# Altium PCB RK_NVR_DEMO1_RK3588_LP4XD200P232SD8_V21_20211228_final_lint.PcbDoc (part 2 of 29) (continued)
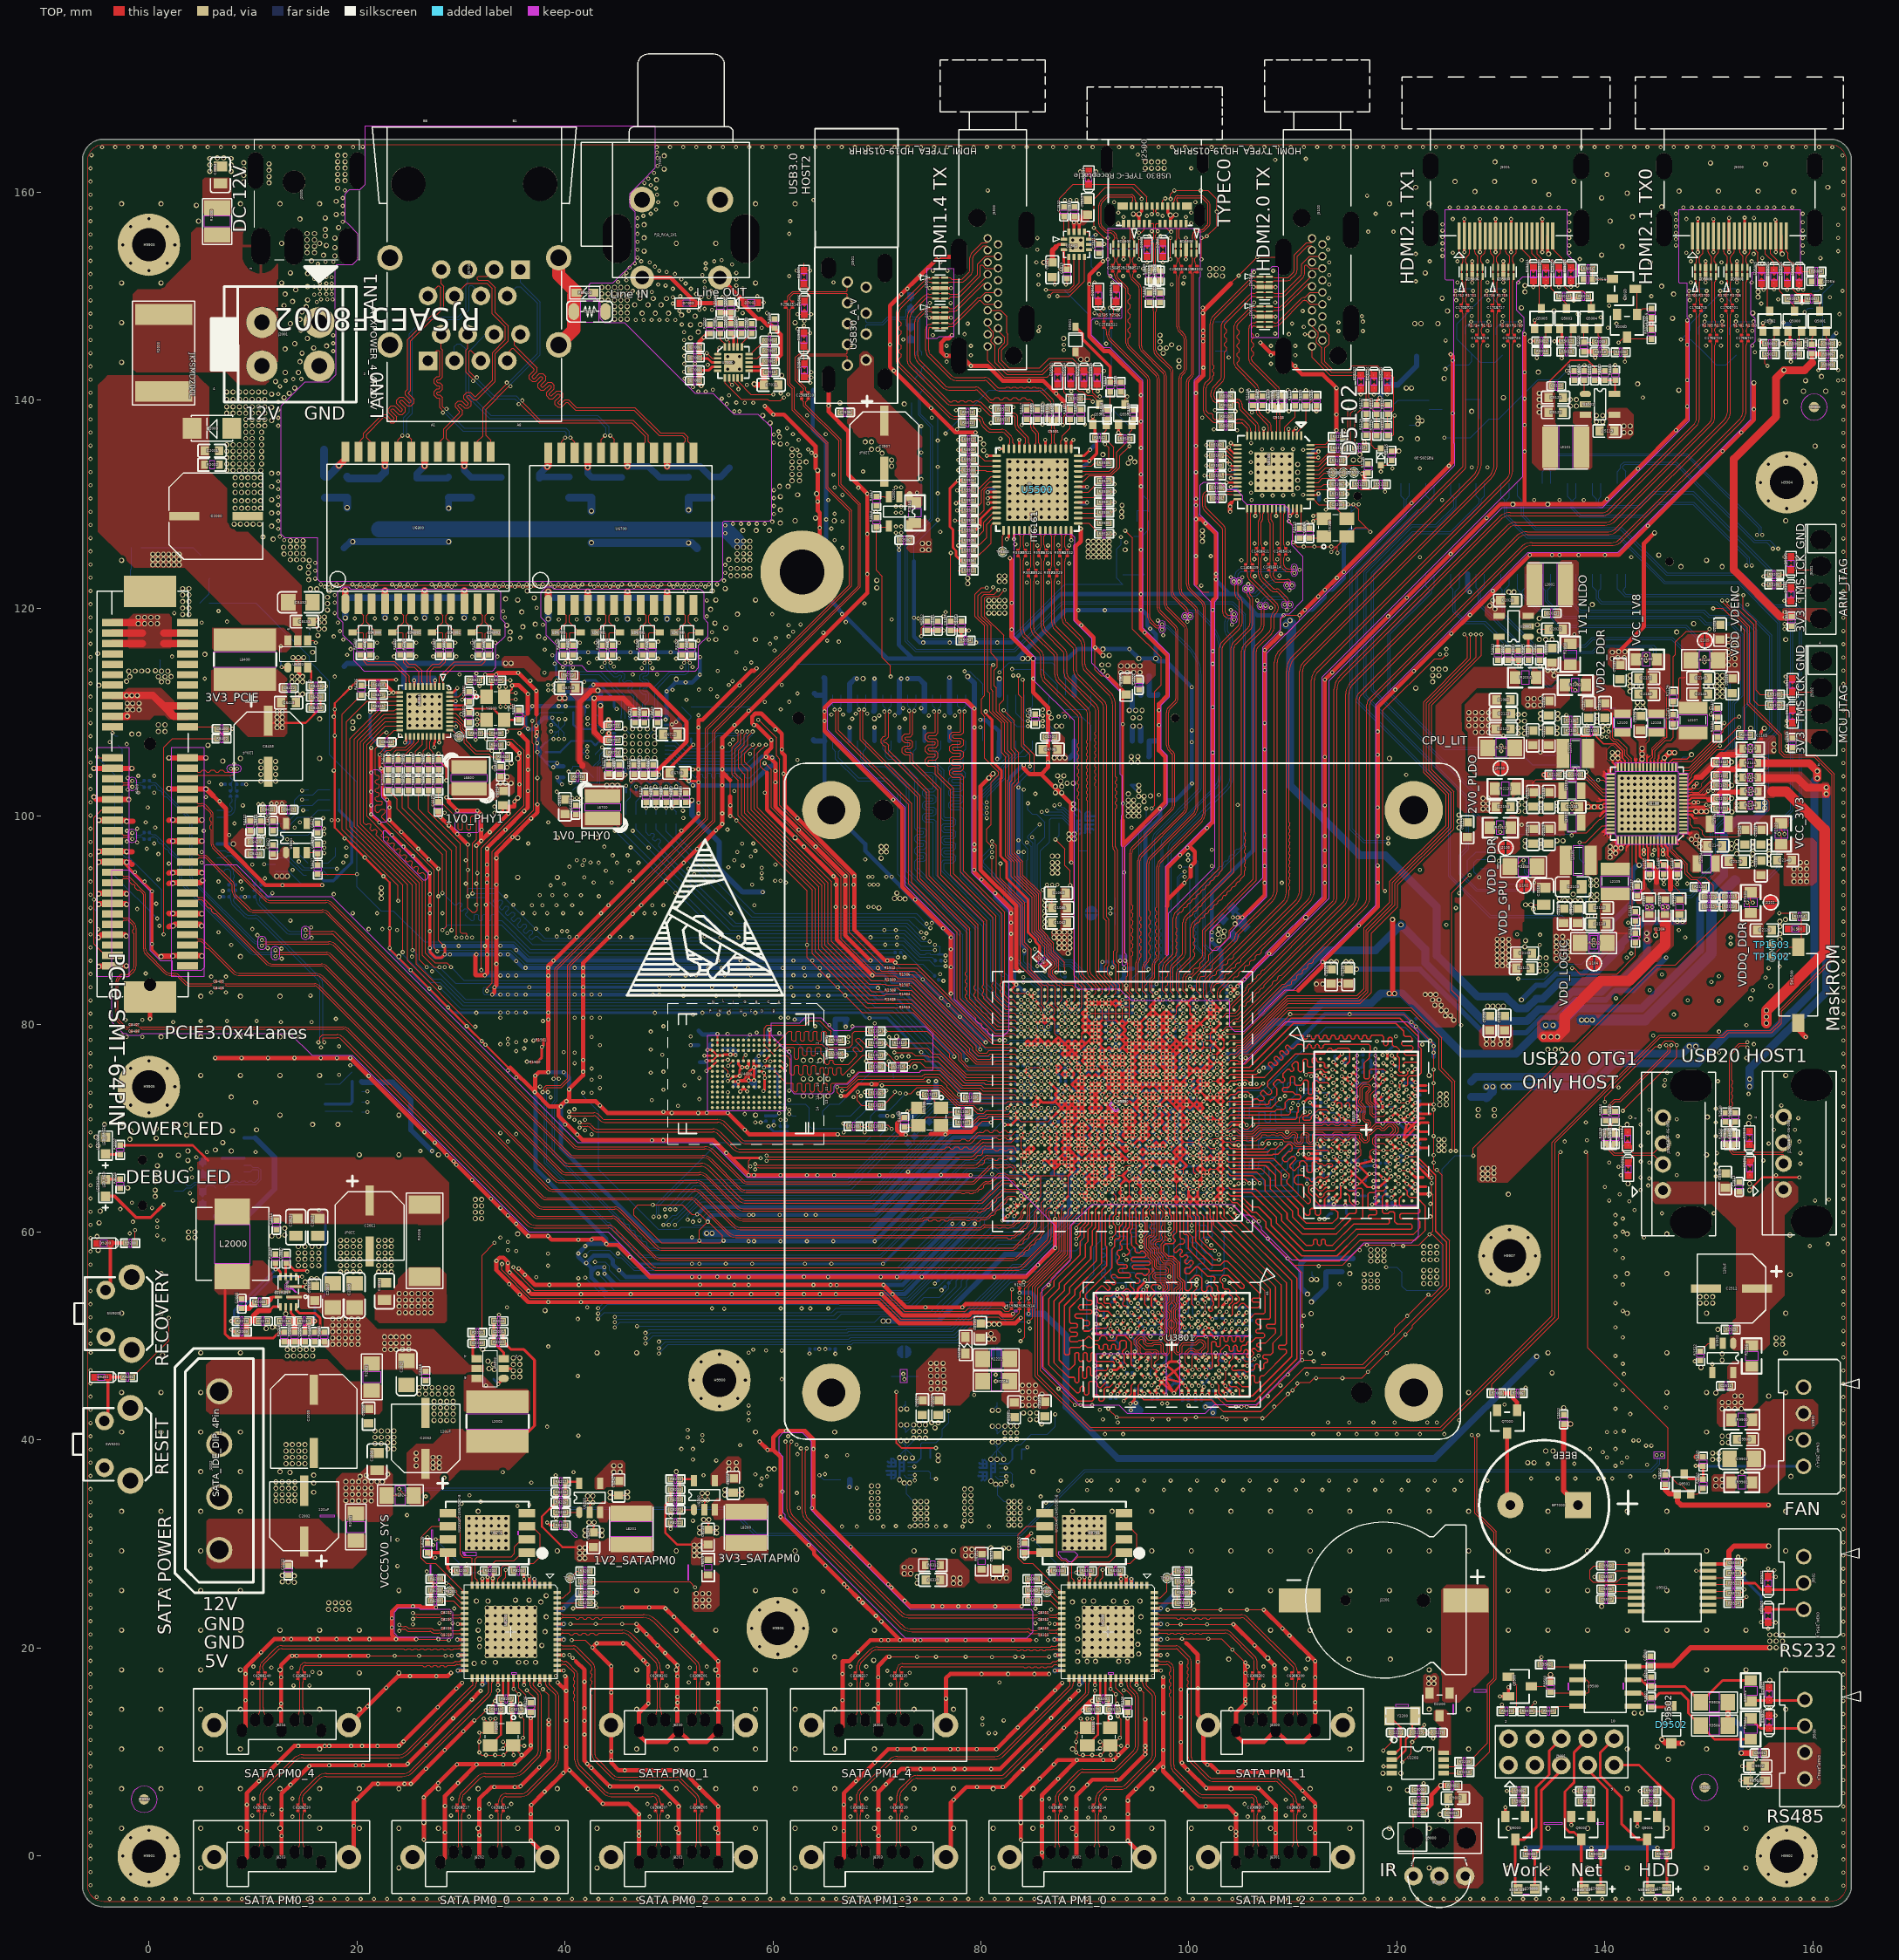
[diagram p0: TOP view]
## Components (designator, comment, footprint, x,y, rotation, side; value= is the part's Value field where it differs from the comment) (continued)
C8436 "CAP NP_C0603_10UF" C0603#3 0.086,109.387 r90 bottom
C8437 "CAP NP_C0402_100NF" C0402#2 -1.256,109.155 r90 bottom
C9000 "CAP NP_C0402_1NF" C0402#1 122.118,6.392 r180 top
C9001 "CAP NP_C0402_100NF" C0402#1 125.28,4.127 r180 top
C9002 "CAP NP_C0603_10UF" C0603#2 125.617,5.577 r180 top
C9100 "CAP NP_C0402_1UF" C0402#1 20.004,73.527 r0 bottom
C9101 "CAP NP_C0402_100NF" C0402#1 20.004,72.511 r0 bottom
C9102 "CAP NP_C0603_10UF" C0603#3 5.579,60.592 r90 bottom
C9103 "CAP NP_C0402_100NF" C0402#2 4.43,61.102 r90 bottom
C9104 "CAP NP_C0402_100NF" C0402#2 7.059,67.546 r270 bottom
C9105 "CAP NP_C0402_100NF" C0402#1 157.94,118.721 r270 top
C9106 "CAP NP_C0402_100NF" C0402#1 158.016,107.037 r270 top
C9500 "CAP NP_C0402_100NF" C0402#1 144.392,18.762 r90 top
C9501 "CAP NP_C0402_4.7NF" C0402#1 154.879,9.907 r0 top
C9502 "CAP NP_C0603_100NF" C0603#2 154.698,8.643 r180 top
C9503 "CAP NP_C0402_100NF" C0402#1 140.117,27.919 r0 top
C9504 "CAP NP_C0402_100NF" C0402#1 140.117,26.864 r0 top
C9505 "CAP NP_C0402_100NF" C0402#1 152.355,28.192 r0 top
C9506 "CAP NP_C0402_100NF" C0402#1 140.129,25.657 r180 top
C9507 "CAP NP_C0402_100NF" C0402#1 140.117,24.692 r0 top
C9900 "CAP NP_C0603_100NF" C0603#2 153.407,40.069 r180 top
C9901 "CAP NP_C1206_10UF" C1206#1 153.16,38.184 r180 top
D1500 "DIODE BI_DIR TRIG_ESD0402_ESD54" ESD0402#1 158.284,89.142 r180 top
D2000 "DIODE_DO_214AC_SS32" DO_214AC 6.069,137.293 r0 top
D2200 "DIODE DOUBLE_SOT_23_BAT54C" SOT_23#1 124.095,14.59 r180 top
D2504 "DIODE BI_DIR TRIG_ESD0402_ESD53" ESD0402#1 97.496,154.47 r270 top
D2505 "DIODE BI_DIR TRIG_ESD0402_ESD53" ESD0402#1 95.972,154.47 r270 top
D2506 "DIODE BI_DIR TRIG_ESD0402_ESD_1" ESD0402#1 63.023,148.885 r270 top
D2507 "DIODE BI_DIR TRIG_ESD0402_ESD_1" ESD0402#1 62.983,151.832 r90 top
D2508 "DIODE BI_DIR TRIG_ESD0402_ESD_1" ESD0402#1 62.983,145.832 r90 top
D2509 "DIODE BI_DIR TRIG_ESD0402_ESD_1" ESD0402#1 63.023,142.885 r270 top
D2510 "DIODE BI_DIR TRIG_ESD0402_ESD53" ESD0402#2 73.245,149.39 r270 bottom
D2511 "DIODE BI_DIR TRIG_ESD0402_ESD53" ESD0402#2 73.245,146.444 r90 bottom
D2512 "DIODE BI_DIR TRIG_ESD0402_ESD53" ESD0402#1 142.231,66.043 r270 top
D2513 "DIODE BI_DIR TRIG_ESD0402_ESD53" ESD0402#1 142.192,68.987 r90 top
D2514 "DIODE BI_DIR TRIG_ESD0402_ESD53" ESD0402#1 153.941,66.12 r270 top
D2515 "DIODE BI_DIR TRIG_ESD0402_ESD53" ESD0402#1 153.901,69.063 r90 top
D2516 "DIODE BI_DIR TRIG_ESD0402_ESD53" ESD0402#1 91.279,150.102 r90 top
D2517 "DIODE BI_DIR TRIG_ESD0402_ESD53" ESD0402#1 93.006,150.102 r90 top
D2518 "DIODE BI_DIR TRIG_ESD0402_ESD53" ESD0402#1 96.715,155.182 r180 bottom
D2519 "DIODE BI_DIR TRIG_ESD0402_ESD53" ESD0402#1 90.365,161.379 r90 top
D5000 "DIODE_SOD_323_B5819WS" SOD_323#1 156.721,149.902 r0 bottom
D5002 "DIODE_SOD_123_B5819W" SOD_123#1 156.721,151.65 r0 bottom
D5003 "DIODE_SOD_323_B5819WS" SOD_323#1 134.267,150.156 r0 bottom
D5005 "DIODE_SOD_123_B5819W" SOD_123#1 134.267,151.904 r0 bottom
D5100 "DIODE_SOD_123_B5819W" SOD_123#2 120.157,145.094 r90 bottom
D5101 "DIODE_SOD_323_B5819WS" SOD_323#2 121.911,145.428 r90 bottom
D5102 "DIODE_SOD_523_RB520S-30" SOD_523 118.457,134.557 r180 top
D5500 "DIODE_SOD_123_B5819W" SOD_123#1 88.253,142.306 r180 bottom
D5501 "DIODE_SOD_323_B5819WS" SOD_323#1 89.095,145.834 r90 top
D6700 "BA301N_3_SMB_F_BS3500NCF" SMB_F#1 45.457,130.01 r90 bottom
D6701 "BA301N_3_SMB_F_BS3500NCF" SMB_F#2 58.284,133.49 r0 bottom
D6702 "BA301N_3_SMB_F_BS3500NCF" SMB_F#1 37.558,130.036 r90 bottom
D6703 "BA301N_3_SMB_F_BS3500NCF" SMB_F#1 49.115,130.01 r90 bottom
D6704 "BA301N_1_BA301N_BA301N" BA301N#1 45.457,130.315 r90 bottom
D6705 "BA301N_1_BA301N_BA301N" BA301N#1 49.115,130.315 r90 bottom
D6706 "BA301N_1_BA301N_BA301N" BA301N#2 58.284,133.693 r0 bottom
D6707 "BA301N_1_BA301N_BA301N" BA301N#1 37.558,130.442 r90 bottom
D6800 "BA301N_3_SMB_F_BS3500NCF" SMB_F#2 14.393,135.217 r180 bottom
D6801 "BA301N_3_SMB_F_BS3500NCF" SMB_F#1 22.115,130.036 r90 bottom
D6802 "BA301N_3_SMB_F_BS3500NCF" SMB_F#1 25.772,130.036 r90 bottom
D6803 "BA301N_3_SMB_F_BS3500NCF" SMB_F#1 33.9,130.036 r90 bottom
D6804 "BA301N_1_BA301N_BA301N" BA301N#2 14.393,135.522 r180 bottom
D6805 "BA301N_1_BA301N_BA301N" BA301N#1 22.115,130.34 r90 bottom
D6806 "BA301N_1_BA301N_BA301N" BA301N#1 25.772,130.34 r90 bottom
D6807 "BA301N_1_BA301N_BA301N" BA301N#1 33.9,130.34 r90 bottom
D7000 "DIODE BI_DIR TRIG_ESD0402_ESD54" ESD0402#1 51.706,149.314 r180 top
D7001 "DIODE BI_DIR TRIG_ESD0402_ESD54" ESD0402#1 57.903,149.354 r0 top
D9100 "DIODE BI_DIR TRIG_ESD0402_ESD53" ESD0402#2 5.16,66.146 r270 bottom
D9101 "DIODE BI_DIR TRIG_ESD0402_ESD53" ESD0402#2 5.16,63.262 r90 bottom
D9102 "DIODE BI_DIR TRIG_ESD0402_ESD53" ESD0402#1 157.891,124.311 r90 top
D9103 "DIODE BI_DIR TRIG_ESD0402_ESD53" ESD0402#1 157.891,121.333 r270 top
D9104 "DIODE BI_DIR TRIG_ESD0402_ESD53" ESD0402#1 158.042,112.576 r90 top
D9105 "DIODE BI_DIR TRIG_ESD0402_ESD53" ESD0402#1 158.042,109.598 r270 top
D9200 "DIODE BI_DIR TRIG_ESD0402_ESD54" ESD0402#1 -4.346,58.931 r180 top
D9201 "DIODE BI_DIR TRIG_ESD0402_ESD54" ESD0402#1 -4.574,46.054 r180 top
D9502 "DIODE_SOD_123_B5819W" SOD_123#1 146.397,12.637 r90 top
ED2100 "DIODE BI_DIR TRIG_ESD0402_AZ582" ESD0402#3 145.686,97.473 r225 bottom
ED2500 "ESD_ESD5304D_SON10_2R50X1R00X0R" SON10_2R50X1R00X0R50 99.724,154.572 r180 top
ED2501 "ESD_ESD5304D_SON10_2R50X1R00X0R" SON10_2R50X1R00X0R50 93.73,154.572 r180 top
ED5000 "ESD_ESD5304D_SON10_2R50X1R00X0R" SON10_2R50X1R00X0R50 149.687,152.337 r0 top
ED5001 "ESD_ESD5304D_SON10_2R50X1R00X0R" SON10_2R50X1R00X0R50 152.689,152.337 r0 top
ED5002 "DIODE BI_DIR TRIG_ESD0402_ESD53" ESD0402#1 158.678,151.88 r270 top
ED5003 "DIODE BI_DIR TRIG_ESD0402_ESD53" ESD0402#1 157.527,151.868 r270 top
ED5004 "DIODE BI_DIR TRIG_ESD0402_ESD53" ESD0402#1 156.265,151.88 r270 top
ED5005 "DIODE BI_DIR TRIG_ESD0402_ESD53" ESD0402#1 155.063,151.868 r270 top
ED5006 "ESD_ESD5304D_SON10_2R50X1R00X0R" SON10_2R50X1R00X0R50 127.233,152.337 r0 top
ED5007 "ESD_ESD5304D_SON10_2R50X1R00X0R" SON10_2R50X1R00X0R50 130.235,152.337 r0 top
ED5008 "DIODE BI_DIR TRIG_ESD0402_ESD53" ESD0402#1 136.733,152.134 r270 top
ED5009 "DIODE BI_DIR TRIG_ESD0402_ESD53" ESD0402#1 135.582,152.122 r270 top
ED5010 "DIODE BI_DIR TRIG_ESD0402_ESD53" ESD0402#1 134.32,152.134 r270 top
ED5011 "DIODE BI_DIR TRIG_ESD0402_ESD53" ESD0402#1 133.118,152.122 r270 top
ED5100 "ESD_ESD5304D_SON10_2R50X1R00X0R" SON10_2R50X1R00X0R50 107.281,150.876 r270 top
ED5101 "ESD_ESD5304D_SON10_2R50X1R00X0R" SON10_2R50X1R00X0R50 107.281,148.031 r270 top
ED5102 "DIODE BI_DIR TRIG_ESD0402_ESD53" ESD0402#1 116.527,141.77 r270 top
ED5103 "DIODE BI_DIR TRIG_ESD0402_ESD53" ESD0402#1 119.067,141.77 r270 top
ED5104 "DIODE BI_DIR TRIG_ESD0402_ESD53" ESD0402#1 117.797,141.77 r270 top
ED5500 "ESD_ESD5304D_SON10_2R50X1R00X0R" SON10_2R50X1R00X0R50 76.09,150.774 r270 top
ED5501 "ESD_ESD5304D_SON10_2R50X1R00X0R" SON10_2R50X1R00X0R50 76.09,147.929 r270 top
ED5502 "DIODE BI_DIR TRIG_ESD0402_ESD53" ESD0402#1 87.367,142.177 r270 top
ED5503 "DIODE BI_DIR TRIG_ESD0402_ESD53" ESD0402#1 89.907,142.177 r270 top
ED5504 "DIODE BI_DIR TRIG_ESD0402_ESD53" ESD0402#1 88.637,142.177 r270 top
ED5505 "DIODE BI_DIR TRIG_ESD0402_ESD53" ESD0402#1 91.177,142.177 r270 top
ED6700 "DIODE BI_DIR TRIG_SOD_323_UDD32" SOD_323#1 51.731,117.661 r180 top
ED6701 "DIODE BI_DIR TRIG_SOD_323_UDD32" SOD_323#1 47.921,117.661 r180 top
ED6702 "DIODE BI_DIR TRIG_SOD_323_UDD32" SOD_323#1 44.111,117.661 r180 top
ED6703 "DIODE BI_DIR TRIG_SOD_323_UDD32" SOD_323#1 40.301,117.661 r180 top
ED6800 "DIODE BI_DIR TRIG_SOD_323_UDD32" SOD_323#1 20.794,117.661 r0 top
ED6801 "DIODE BI_DIR TRIG_SOD_323_UDD32" SOD_323#1 24.604,117.661 r0 top
ED6802 "DIODE BI_DIR TRIG_SOD_323_UDD32" SOD_323#1 28.414,117.661 r0 top
ED6803 "DIODE BI_DIR TRIG_SOD_323_UDD32" SOD_323#1 32.224,117.661 r0 top
ED9500 "DIODE BI_DIR TRIG_ESD0402_ESD54" ESD0402#1 155.795,12.908 r90 top
ED9501 "DIODE BI_DIR TRIG_ESD0402_ESD54" ESD0402#1 155.795,15.593 r90 top
ED9502 "DIODE BI_DIR TRIG_ESD0402_ESD54" ESD0402#1 155.693,26.258 r90 top
ED9503 "DIODE BI_DIR TRIG_ESD0402_ESD54" ESD0402#1 155.693,23.103 r270 top
F2000 "FUSE_F8050_JK-SMD200L" F8050 1.421,144.534 r270 top
FB2201 "BEAD_L0603_120R-100MHZ" L0603#1 78.528,49.111 r90 top
FB5100 "BEAD_L0603_120R-100MHZ" L0603#2 113.25,135.547 r270 bottom
FB5101 "BEAD_L0603_120R-100MHZ" L0603#2 102.912,133.541 r90 bottom
FB5102 "BEAD_L0603_120R-100MHZ" L0603#1 106.671,127.242 r0 bottom
FB5103 "BEAD_L0603_120R-100MHZ" L0603#1 105.452,137.91 r0 bottom
FB5500 "BEAD_L0603_120R-100MHZ" L0603#1 87.164,136.894 r0 bottom
FB5501 "BEAD_L0603_120R-100MHZ" L0603#1 81.983,138.519 r0 bottom
FB5502 "BEAD_L0603_120R-100MHZ" L0603#1 90.314,136.894 r180 bottom
FB5503 "BEAD_L0603_120R-100MHZ" L0603#1 81.983,137.097 r0 bottom
FB5504 "BEAD_L0603_120R-100MHZ" L0603#1 85.843,125.21 r0 bottom
FB5505 "BEAD_L0603_120R-100MHZ" L0603#1 82.795,125.438 r180 bottom
FB6700 "BEAD_L0603_120R-100MHZ" L0603#1 41.922,150.328 r180 top
FB9500 "BEAD_L0603_120R-100MHZ" L0603#1 154.582,7.271 r180 top
H9900 "HOLE_HOLE_C3R20_C6R00_HOLE_3R20" HOLE_C3R20_C6R00 54.855,45.758 r0 top
H9901 "HOLE_HOLE_C3R20_C6R00_HOLE_3R20" HOLE_C3R20_C6R00 0,0 r0 top
H9902 "HOLE_HOLE_C3R20_C6R00_HOLE_3R20" HOLE_C3R20_C6R00 157.48,0 r0 top
H9903 "HOLE_HOLE_C3R20_C6R00_HOLE_3R20" HOLE_C3R20_C6R00 0,154.94 r0 top
H9904 "HOLE_HOLE_C3R20_C6R00_HOLE_3R20" HOLE_C3R20_C6R00 157.48,132.08 r0 top
H9905 "HOLE_HOLE_C3R20_C6R00_HOLE_3R20" HOLE_C3R20_C6R00 0,73.978 r0 top
H9906 "HOLE_HOLE_C3R20_C6R00_HOLE_3R20" HOLE_C3R20_C6R00 60.469,21.908 r0 top
H9907 "HOLE_HOLE_C3R20_C6R00_HOLE_3R20" HOLE_C3R20_C6R00 130.827,57.722 r0 top
IR9000 "IRM_0_IJ3_IRM_3638_IRM_3638" IJ3_IRM_3638 124.079,-1.922 r0 top
J2000 "DCJACK_3P_DC3_DC_0007_5P_DC-000" DC3_DC_0007_5P 15.157,159.034 r270 top
J2001 "CON4_8_CNN4F_4R20_V_H_DIP_ATXPO" CNN4F_4R20_V_H_DIP 13.715,150.163 r270 top
J2002 "SATA_IDE_DIP_0_SATA-IDE4M_5R08_" SATA-IDE4M_5R08_DIP 6.773,37.072 r90 top
J2100 "JM_0_OPEN_JM" OPEN#1 130.476,96.965 r270 top
J2101 "JM_0_OPEN_JM" OPEN#1 155.947,91.712 r0 top
J2102 "JM_0_OPEN_JM" OPEN#1 132.205,93.307 r90 top
J2103 "JM_0_OPEN_JM" OPEN#1 129.95,104.604 r90 top
J2104 "JM_0_OPEN_JM" OPEN#1 138.936,85.84 r90 top
J2105 "JM_0_OPEN_JM" OPEN#1 149.635,116.877 r270 top
J2200 "JM_0_OPEN_JM" OPEN#2 81.436,48.363 r270 bottom
J2201 "CON_BATTERY-20MM_BAT_CR1220_CR1" BAT_CR1220 118.91,24.664 r180 top
J2202 "JM_0_OPEN_JM" OPEN#2 72.648,48.49 r270 bottom
J2203 "JM_0_OPEN_JM" OPEN#1 90.619,90.635 r0 bottom
J2500 "USB30_TYPE-C RECEPTACLE_0_TYPEC" TYPEC30_24P_SD-2012670005 96.715,160.909 r180 top
J2501 "USB30_TYPE_A_V_2_USB30A9_25R70X" USB30A9_25R70X7R32X13R85 68.063,147.358 r90 top
J2502 "USB20_TYPE_A_USB20A4_UA04-DHF-P" USB20A4_UA04-DHF-PW137 147.182,67.515 r90 top
J2503 "USB20_TYPE_A_USB20A4_UA04-DHF-P" USB20A4_UA04-DHF-PW137 158.79,67.591 r90 top
J5000 "HDMI_TYPE_A_0_HDMIA19_HDMI_01A_" HDMIA19_HDMI_01A 153.009,160.3 r0 top
J5001 "HDMI_TYPE_A_0_HDMIA19_HDMI_01A_" HDMIA19_HDMI_01A 130.555,160.3 r0 top
J5100 "HDMI_TYPE_A_0_HDMIA19_51R019S_H" HDMIA19_51R019S 112.337,157.625 r180 top
J5500 "HDMI_TYPE_A_0_HDMIA19_51R019S_H" HDMIA19_51R019S 81.146,157.625 r180 top
J6700 "RJSAE5F8002_RJ45_SAE5F8002_RJSA" RJ45_SAE5F8002 31.289,152.104 r180 top
J7000 "JP_AV1-8_1.4-5G_PJ3_RCA_2X1_PJ3" PJ3_RCA_2X1 51.169,158.283 r0 top
J8200 "SATA_DIP_0_SATA30_7P_V_DIP_SATA" SATA30_7P_V_DIP 50.931,12.603 r0 top
J8201 "SATA_DIP_0_SATA30_7P_V_DIP_SATA" SATA30_7P_V_DIP 50.931,-0.097 r0 top
J8202 "SATA_DIP_0_SATA30_7P_V_DIP_SATA" SATA30_7P_V_DIP 31.841,-0.097 r0 top
J8203 "SATA_DIP_0_SATA30_7P_V_DIP_SATA" SATA30_7P_V_DIP 12.751,-0.097 r0 top
J8204 "SATA_DIP_0_SATA30_7P_V_DIP_SATA" SATA30_7P_V_DIP 12.751,12.603 r0 top
J8300 "SATA_DIP_0_SATA30_7P_V_DIP_SATA" SATA30_7P_V_DIP 108.335,12.603 r0 top
J8301 "SATA_DIP_0_SATA30_7P_V_DIP_SATA" SATA30_7P_V_DIP 108.335,-0.097 r0 top
J8302 "SATA_DIP_0_SATA30_7P_V_DIP_SATA" SATA30_7P_V_DIP 89.245,-0.097 r0 top
J8303 "SATA_DIP_0_SATA30_7P_V_DIP_SATA" SATA30_7P_V_DIP 70.155,-0.097 r0 top
J8304 "SATA_DIP_0_SATA30_7P_V_DIP_SATA" SATA30_7P_V_DIP 70.155,12.603 r0 top
J8400 "PCIEX4_1_PCIE64_X4_SMT_PCIE-SMT" PCIE64_X4_SMT -0.153,102.1 r270 top
J9000 "CON3_1X3_CN3M_2R54_V_DIP_CN3M_2" CN3M_2R54_V_DIP 123.374,1.735 r0 top
J9001 "CON20_0_CNN10M_2R54_V_DIP_P101-" CNN10M_2R54_V_DIP 135.832,10.03 r0 top
J9100 "USB20_MINI_USB20MIN5_USB_M5_03_" USB20MIN5_USB_M5_03_002 -0.429,64.752 r0 bottom
J9101 "HEADER 4_0_CN4M_2R54_V_DIP_CON4" CN4M_2R54_V_DIP 160.744,122.775 r270 top
J9102 "HEADER 4_0_CN4M_2R54_V_DIP_CON4" CN4M_2R54_V_DIP 160.821,111.091 r270 top
J9500 "CON4_0_CN4M_2R54_V_P_DIP_CN4M_2" CN4M_2R54_V_P_DIP 159.791,11.233 r270 top
J9501 "CON3_1X3_CN3M_2R54_V_P_DIP_CN3M" CN3M_2R54_V_P_DIP 159.695,26.259 r270 top
J9800 "POWERMEASUREMENT_6_CNN60_0R80_B" CNN60_0R80_B406 131.208,127.623 r180 bottom
J9901 "RADIATOR_FAN_2_RADIATOR_FAN_65R" RADIATOR_FAN_65RX65RX20R 93.616,72.581 r0 top
L2000 "INDUCTORS OF FERRITE_IND_707028" IND_707028 8.018,58.865 r90 top
L2001 "INDUCTORS OF FERRITE_IND_404026" IND_404026#1 134.713,122.263 r0 top
L2002 "INDUCTORS OF FERRITE_IND_606045" IND_606045 33.519,41.796 r270 top
L2100 "INDUCTORS OF FERRITE_IND_201610" IND_201610 141.698,108.954 r270 top
L2101 "INDUCTORS OF FERRITE_IND_322512" IND_322512#1 137.431,95.746 r180 top
L2102 "INDUCTORS OF FERRITE_IND_201610" IND_201610 136.821,99.378 r0 top
L2103 "INDUCTORS OF FERRITE_IND_322512" IND_322512#1 137.177,106.033 r180 top
L2104 "INDUCTORS OF FERRITE_IND_201610" IND_201610 149.75,95.441 r180 top
L2105 "INDUCTORS OF FERRITE_IND_322512" IND_322512#1 140.987,93.714 r270 top
L2106 "INDUCTORS OF FERRITE_IND_201610" IND_201610 151.02,99.251 r180 top
L2107 "INDUCTORS OF FERRITE_IND_322512" IND_322512#1 148.48,109.208 r90 top
L2108 "INDUCTORS OF FERRITE_IND_201610" IND_201610 144.949,108.954 r270 top
L2109 "INDUCTORS OF FERRITE_IND_201610" IND_201610 136.821,102.451 r180 top
L2200 "INDUCTORS OF FERRITE_IND_322512" IND_322512#2 77.919,39.154 r270 bottom
L2201 "INDUCTORS OF FERRITE_IND_322512" IND_322512#2 69.079,39.154 r270 bottom
L2202 "INDUCTORS OF FERRITE_IND_322512" IND_322512#3 92.752,97.473 r90 bottom
L2500 "INDUCTOR COM_RP2_0405_NC" RP2_0405#1 96.715,151.981 r270 top
L2501 "INDUCTOR COM_RP2_0405_NC" RP2_0405#2 74.058,143.701 r90 bottom
L2502 "INDUCTOR COM_RP2_0405_NC" RP2_0405#1 140.518,68.949 r90 top
L2503 "INDUCTOR COM_RP2_0405_NC" RP2_0405#1 152.075,68.923 r90 top
L5100 "INDUCTOR COM_RP2_0405_NC" RP2_0405#1 108.588,139.916 r270 top
L5101 "INDUCTORS OF FERRITE_IND_404026" IND_404026#1 136.237,135.471 r180 top
L5500 "INDUCTOR COM_RP2_0405_NC" RP2_0405#1 86.937,138.621 r270 top
L5501 "INDUCTORS OF FERRITE_IND_404026" IND_404026#2 76.395,122.771 r270 bottom
L6700 "INDUCTORS OF FERRITE_IND_303015" IND_303015 43.629,100.851 r0 top
L6800 "INDUCTORS OF FERRITE_IND_303015" IND_303015 30.776,103.67 r0 top
L8200 "INDUCTORS OF FERRITE_IND_404026" IND_404026#1 57.415,31.605 r270 top
L8201 "INDUCTORS OF FERRITE_IND_404026" IND_404026#1 46.392,31.453 r270 top
L8400 "INDUCTORS OF FERRITE_IND_6060_1" IND_606045 9.237,115.05 r270 top
LED2000 "LED_LED0603_LED_GREEN" LED0603 -4.174,68.314 r90 top
LED9000 "LED_LED0603_LED_BLUE" LED0603 132.452,-3.146 r180 top
LED9001 "LED_LED0603_LED_GREEN" LED0603 145.152,-3.146 r180 top
LED9002 "LED_LED0603_LED_GREEN" LED0603 138.802,-3.146 r180 top
LED9100 "LED_LED0603_LED_RED" LED0603 -4.174,64.25 r90 top
M9900 "MARK_MARK_MARK" MARK 160.113,139.332 r180 bottom
M9901 "MARK_MARK_MARK" MARK 149.594,6.613 r180 bottom
M9902 "MARK_MARK_MARK" MARK 149.594,6.613 r0 top
M9903 "MARK_MARK_MARK" MARK 160.113,139.332 r0 top
M9904 "MARK_MARK_MARK" MARK -0.47,5.445 r0 top
M9905 "MARK_MARK_MARK" MARK -0.47,5.445 r180 bottom
Q1700 "MOSFET N_SOT_323_WNM6002-3/TR" SOT_323 151.993,145.326 r180 bottom
Q1701 "MOSFET N_SOT_323_WNM6002-3/TR" SOT_323 149.021,149.797 r180 bottom
Q1702 "MOSFET N_SOT_323_WNM6002-3/TR" SOT_323 149.021,145.377 r180 bottom
Q1703 "MOSFET N_SOT_323_WNM6002-3/TR" SOT_323 151.993,149.797 r180 bottom
Q1704 "MOSFET N_SOT_323_WNM6002-3/TR" SOT_323 129.539,145.326 r180 bottom
Q1705 "MOSFET N_SOT_323_WNM6002-3/TR" SOT_323 126.567,149.797 r180 bottom
Q1706 "MOSFET N_SOT_323_WNM6002-3/TR" SOT_323 126.567,145.377 r180 bottom
Q1707 "MOSFET N_SOT_323_WNM6002-3/TR" SOT_323 129.539,149.797 r180 bottom
Q5000 "MOSFET N_SOT_323_2SK3018" SOT_323 158.245,147.601 r0 top
Q5001 "MOSFET N_SOT_323_2SK3018" SOT_323 160.651,147.601 r0 top
Q5002 "MOSFET N_SOT_323_2SK3018" SOT_323 155.841,147.601 r0 top
Q5003 "MOSFET N_SOT_323_2SK3018" SOT_323 136.299,147.855 r0 top
Q5004 "MOSFET N_SOT_323_2SK3018" SOT_323 138.706,147.855 r0 top
Q5005 "MOSFET N_SOT_323_2SK3018" SOT_323 133.895,147.855 r0 top
Q5006 "NPN_SOT_23_S8050" SOT_23#1 160.011,147.765 r180 bottom
Q5007 "NPN_SOT_23_S8050" SOT_23#2 161.027,151.422 r270 bottom
Q5008 "NPN_SOT_23_S8050" SOT_23#1 142.13,147.155 r180 top
Q5009 "NPN_SOT_23_S8050" SOT_23#1 141.825,150.711 r270 top
Q5100 "MOSFET P_SOT_23_WPM2015-3/TR" SOT_23#2 118.66,138.722 r90 bottom
Q5101 "NPN_SOT_23_S8050" SOT_23#2 125.467,139.129 r90 bottom
Q5500 "MOSFET P_SOT_23_WPM2015-3/TR" SOT_23#1 94.683,131.915 r180 bottom
Q5501 "MOSFET N_SOT_323_2SK3018" SOT_323 91.402,138.621 r0 top
Q5502 "MOSFET N_SOT_323_2SK3018" SOT_323 93.87,138.621 r0 top
Q5503 "NPN_SOT_23_S8050" SOT_23#1 94.683,125.819 r180 bottom
Q7000 "NPN_SOT_23_S8050" SOT_23#1 130.602,41.774 r180 top
Q8400 "MOSFET P_SOT_23_WPM3407-3/TR" SOT_23#1 -0.813,121.319 r0 bottom
Q8401 "NPN_SOT_23_S8050" SOT_23#1 4.935,123.995 r180 bottom
Q9000 "NPN_SOT_23_S8050" SOT_23#1 131.377,2.701 r180 top
Q9001 "NPN_SOT_23_S8050" SOT_23#1 144.077,2.701 r180 top
Q9002 "NPN_SOT_23_S8050" SOT_23#1 137.727,2.701 r180 top
Q9500 "NPN_SOT_23_S8050" SOT_23#1 131.822,16.313 r270 top
Q9501 "MOSFET N_SOT_323_2SK3018" SOT_323 147.616,35.776 r0 top
R1100 "RESISTOR_R0402_22R" R0402#1 78.249,71.565 r0 top
R1101 "RESISTOR_R0402_510K" R0402#1 78.249,70.549 r180 top
R1102 "RESISTOR_R0201_0R" R0201#1 82.795,69.025 r270 bottom
R1103 "RESISTOR_R0402_0R" R0402#1 78.249,71.057 r180 bottom
R1104 "RESISTOR_R0402_22R" R0402#1 80.535,69.787 r180 bottom
R1105 "RESISTOR_R0402_22R" R0402#1 67.759,70.168 r0 top
R1106 "RESISTOR_R0402_22R" R0402#1 69.867,69.152 r180 bottom
R1107 "RESISTOR_R0402_22R" R0402#1 69.867,70.168 r180 top
R1108 "RESISTOR_R0402_0R" R0402#1 69.867,70.168 r180 bottom
R1109 "RESISTOR_R0402_100K" R0402#1 81.17,71.819 r180 bottom
R1110 "RESISTOR_R0402_120K" R0402#1 69.867,71.184 r0 bottom
R1111 "RESISTOR_R0201_2.2K" R0201#1 59.326,70.93 r90 bottom
R1112 "RESISTOR_R0201_2.2K" R0201#1 60.088,70.93 r90 bottom
R1113 "RESISTOR_R0402_100K" R0402#2 74.693,70.295 r135 bottom
R1114 "RESISTOR_R0402_120K" R0402#2 73.296,68.898 r135 bottom
R1115 "RESISTOR_R0201_2.2K" R0201#2 63.796,48.756 r0 bottom
R1116 "RESISTOR_R0201_2.2K" R0201#2 65.727,48.756 r180 bottom
R1117 "RESISTOR_R0201_2.2K" R0201#1 60.723,69.914 r270 bottom
R1118 "RESISTOR_R0201_2.2K" R0201#1 61.358,69.914 r270 bottom
R1200 "RESISTOR_R0201_240R" R0201#2 100.474,72.733 r180 bottom
R1201 "RESISTOR_R0201_240R" R0201#1 101.083,66.078 r270 bottom
R1202 "RESISTOR_R0201_240R" R0201#1 100.448,66.078 r90 bottom
R1203 "RESISTOR_R0201_240R" R0201#2 93.667,64.961 r0 bottom
R1204 "RESISTOR_R0603_0R" R0603 115.46,56.198 r0 bottom
R1205 "RESISTOR_R0402_0R" R0402#1 116.222,57.468 r0 bottom
R1300 "RESISTOR_R0402_0R" R0402#1 69.867,78.169 r180 bottom
R1301 "RESISTOR_R0402_0R" R0402#1 69.867,77.026 r180 bottom
R1302 "RESISTOR_R0402_0R" R0402#1 69.867,72.2 r180 bottom
R1303 "RESISTOR_R0402_0R" R0402#1 69.867,79.312 r180 bottom
R1304 "RESISTOR_R0402_0R" R0402#1 72.026,75.883 r180 bottom
R1305 "RESISTOR_R0402_0R" R0402#1 66.057,77.153 r180 top
R1306 "RESISTOR_R0402_0R" R0402#1 66.057,78.423 r180 top
R1307 "RESISTOR_R0402_0R" R0402#1 69.867,73.343 r180 bottom
R1308 "RESISTOR_R0402_0R" R0402#1 69.867,75.883 r180 top
R1309 "RESISTOR_R0402_0R" R0402#1 69.867,78.169 r180 top
R1310 "RESISTOR_R0402_0R" R0402#1 79.011,72.962 r180 top
R1311 "RESISTOR_R0402_0R" R0402#1 69.867,77.026 r180 top
R1312 "RESISTOR_R0402_0R" R0402#1 72.153,78.169 r180 top
R1313 "RESISTOR_R0402_0R" R0402#1 69.867,72.2 r180 top
R1314 "RESISTOR_R0402_0R" R0402#1 69.867,79.312 r180 top
R1315 "RESISTOR_R0402_0R" R0402#1 72.026,75.883 r180 top
R1316 "RESISTOR_R0402_0R" R0402#1 69.867,73.343 r180 top
R1400 "RESISTOR_R0201_200R" R0201#1 96.41,83.376 r270 bottom
R1401 "RESISTOR_R0201_8.2K" R0201#2 93.616,79.413 r180 bottom
R1402 "RESISTOR_R0201_200R" R0201#1 100.601,83.884 r270 bottom
R1403 "RESISTOR_R0201_200R" R0201#1 99.919,78.806 r90 bottom
R1404 "RESISTOR_R0201_200R" R0201#1 99.919,80.005 r270 bottom
R1405 "RESISTOR_R0201_8.2K" R0201#2 93.616,78.778 r180 bottom
R1500 "RESISTOR_R0201_2.2K" R0201#2 37.075,76.34 r180 top
R1501 "RESISTOR_R0201_2.2K" R0201#2 37.685,78.474 r180 top
R1502 "RESISTOR_R0402_10K" R0402#1 91.838,83.35 r180 bottom
R1503 "RESISTOR_R0402_100K" R0402#3 94.581,84.874 r90 bottom
R1504 "RESISTOR_R0201_0R" R0201#2 72.661,82.868 r180 top
R1505 "RESISTOR_R0201_0R" R0201#2 71.264,82.36 r180 top
R1506 "RESISTOR_R0201_0R" R0201#2 72.661,84.773 r180 top
R1507 "RESISTOR_R0201_0R" R0201#2 72.661,83.757 r180 top
R1508 "RESISTOR_R0201_0R" R0201#2 71.264,83.249 r180 top
R1509 "RESISTOR_R0201_0R" R0201#2 71.264,84.265 r180 top
R1510 "RESISTOR_R0402_DNP" R0402#1 94.479,83.147 r180 bottom
R1511 "RESISTOR_R0201_0R" R0201#2 83.811,76.01 r180 bottom
R1512 "RESISTOR_R0201_0R" R0201#2 71.264,85.408 r180 top
R1513 "RESISTOR_R0201_0R" R0201#2 72.661,81.598 r180 top
R1514 "RESISTOR_R0402_100R" R0402#1 158.691,90.361 r0 top
R1700 "RESISTOR_R0201_499R" R0201#2 154.036,147.155 r0 top
R1701 "RESISTOR_R0201_499R" R0201#2 152.842,147.155 r180 top
R1702 "RESISTOR_R0201_499R" R0201#2 149.534,150.076 r0 top
R1703 "RESISTOR_R0201_499R" R0201#2 148.34,150.076 r180 top
R1704 "RESISTOR_R0201_499R" R0201#2 151.034,147.155 r0 top
R1705 "RESISTOR_R0201_499R" R0201#2 149.84,147.155 r180 top
R1706 "RESISTOR_R0201_499R" R0201#2 152.536,150.076 r0 top
R1707 "RESISTOR_R0201_499R" R0201#2 151.342,150.076 r180 top
R1708 "RESISTOR_R0201_8.2K" R0201#1 103.598,82.741 r270 bottom
R1709 "RESISTOR_R0201_499R" R0201#2 131.582,147.155 r0 top
R1710 "RESISTOR_R0201_499R" R0201#2 130.389,147.155 r180 top
R1711 "RESISTOR_R0201_499R" R0201#2 127.08,150.076 r0 top
R1712 "RESISTOR_R0201_499R" R0201#2 125.886,150.076 r180 top
R1713 "RESISTOR_R0201_499R" R0201#2 128.58,147.155 r0 top
R1714 "RESISTOR_R0201_499R" R0201#2 127.386,147.155 r180 top
R1715 "RESISTOR_R0201_499R" R0201#2 130.083,150.076 r0 top
R1716 "RESISTOR_R0201_499R" R0201#2 128.889,150.076 r180 top
R1717 "RESISTOR_R0201_8.2K" R0201#1 105.071,83.249 r270 bottom
R1800 "RESISTOR_R0201_200R" R0201#1 82.141,61.893 r90 bottom
R1801 "RESISTOR_R0201_200R" R0201#2 82.846,61.024 r180 bottom
R1900 "RESISTOR_R0201_0R" R0201#2 83.063,73.6 r180 bottom
R1901 "RESISTOR_R0201_0R" R0201#2 83.075,74.87 r180 bottom
R1902 "RESISTOR_R0201_0R" R0201#2 72.02,86.871 r180 bottom
R1903 "RESISTOR_R0201_0R" R0201#3 75.746,84.447 r225 bottom
R1904 "RESISTOR_R0201_0R" R0201#2 85.984,78.25 r180 bottom
R1905 "RESISTOR_R0201_0R" R0201#2 75.874,86.112 r180 bottom
R1906 "RESISTOR_R0201_0R" R0201#1 87.296,79.51 r270 bottom
R1907 "RESISTOR_R0201_0R" R0201#2 83.163,76.7 r180 bottom
R1908 "RESISTOR_R0201_0R" R0201#4 85.344,75.995 r135 bottom
R1909 "RESISTOR_R0201_0R" R0201#2 83.163,77.462 r180 bottom
R1910 "RESISTOR_R0201_0R" R0201#2 84.771,78.25 r180 bottom
R1911 "RESISTOR_R0201_0R" R0201#2 83.075,74.232 r180 bottom
R1912 "RESISTOR_R0201_0R" R0201#1 88.079,84.265 r270 bottom
R1913 "RESISTOR_R0201_2.2K" R0201#2 83.71,54.928 r90 top
R1914 "RESISTOR_R0201_2.2K" R0201#2 84.599,52.896 r90 top
R1915 "RESISTOR_R0201_2.2K" R0201#4 76.09,55.563 r315 bottom
R1916 "RESISTOR_R0201_2.2K" R0201#4 76.725,54.928 r315 bottom
R1917 "RESISTOR_R0201_22R" R0201#2 83.71,52.896 r270 top
R1918 "RESISTOR_R0201_22R" R0201#2 82.948,52.896 r270 top
R1922 "RESISTOR_R0402_0R" R0402#4 85.843,86.094 r135 top
R2000 "RESISTOR_R1210_2R" R1210#1 6.561,157.19 r90 top
R2001 "RESISTOR_R1206_0R" R1206 19.905,31.641 r270 top
R2002 "RESISTOR_R0603_10K" R0603 6.069,133.779 r0 top
R2003 "RESISTOR_R1206_0R" R1206 21.429,46.068 r270 top
R2004 "RESISTOR_R0402_510K" R0402#1 16.857,49.924 r90 top
R2005 "RESISTOR_R0402_3.3R" R0402#1 10.659,53.277 r180 top
R2006 "RESISTOR_R2512_0.01R" R2512 26.509,59.17 r270 top
R2007 "RESISTOR_R0402_2.2K" R0402#1 -2.752,67.907 r270 top
R2008 "RESISTOR_R0402_100K" R0402#1 15.943,49.924 r270 top
R2009 "RESISTOR_R0402_100K" R0402#1 8.932,50.432 r180 top
R2010 "RESISTOR_R0805_0R" R0805#1 136.669,115.56 r270 top
R2011 "RESISTOR_R0402_10K" R0402#1 133.75,115.456 r90 top
R2012 "RESISTOR_R0402_100K" R0402#1 131.673,115.456 r90 top
R2013 "RESISTOR_R0402_120K" R0402#1 129.705,115.456 r270 top
R2014 "RESISTOR_R0805_0R" R0805#1 132.376,113.322 r0 top
R2015 "RESISTOR_R0402_DNP" R0402#1 12.996,49.924 r270 top
R2016 "RESISTOR_R0402_DNP" R0402#1 14.012,49.924 r90 top
R2017 "RESISTOR_R0402_43K" R0402#1 14.927,51.448 r180 top
R2018 "RESISTOR_R0402_7.5K" R0402#1 12.996,51.448 r180 top
R2019 "RESISTOR_R0402_100K" R0402#1 8.932,51.448 r180 top
R2020 "RESISTOR_R0402_100K" R0402#1 12.183,57.442 r90 top
R2021 "RESISTOR_R0402_10K" R0402#1 31.574,50.327 r180 top
R2022 "RESISTOR_R0402_232K" R0402#1 33.584,49.409 r180 top
R2023 "RESISTOR_R0402_30K" R0402#1 33.621,51.448 r0 top
R2024 "RESISTOR_R1206_0.01R" R1206 24.177,34.684 r180 top
R2100 "RESISTOR_R1206_0.01R" R1206 132.178,95.136 r180 top
R2101 "RESISTOR_R0402_100K" R0402#3 140.948,107.938 r90 bottom
R2102 "RESISTOR_R0805_0.02R" R0805#1 137.151,112.611 r0 top
R2103 "RESISTOR_R0402_120K" R0402#3 140.948,109.905 r90 bottom
R2104 "RESISTOR_R0402_100R" R0402#3 129.157,95.404 r270 bottom
R2111 "RESISTOR_R0805_0.01R" R0805#1 129.938,98.895 r0 top
R2112 "RESISTOR_R1206_0.01R" R1206 130.036,106.566 r180 top
R2113 "RESISTOR_R0402_100R" R0402#3 132.877,98.717 r90 bottom
R2114 "RESISTOR_R0402_100R" R0402#3 135.526,105.398 r90 bottom
R2121 "RESISTOR_R0805_0.02R" R0805#1 154.017,91.682 r90 top
R2122 "RESISTOR_R1206_0.01R" R1206 138.934,87.795 r180 top
R2123 "RESISTOR_R0402_0R" R0402#1 151.96,91.301 r180 top
R2124 "RESISTOR_R0402_100R" R0402#1 142.943,88.301 r270 top
R2125 "RESISTOR_R0402_20K" R0402#1 150.004,91.301 r180 top
R2126 "RESISTOR_R0402_100K" R0402#1 149.104,93.206 r180 top
R2127 "RESISTOR_R0805_0.02R" R0805#1 156.963,98.286 r90 top
R2128 "RESISTOR_R1206_0.01R" R1206 149.567,114.999 r0 top
R2129 "RESISTOR_R0402_100R" R0402#1 146.591,111.494 r90 top
R2130 "RESISTOR_R0805_0.02R" R0805#1 143.984,115.075 r0 top
R2131 "RESISTOR_R0805_0R" R0805#1 130.42,102.629 r180 top
R2132 "RESISTOR_R0603_0.02R" R0603 145.762,91.25 r270 top
R2133 "RESISTOR_R0603_0.05R" R0603 144.263,91.25 r270 top
R2134 "RESISTOR_R0402_100K" R0402#1 150.817,108.039 r90 top
R2135 "RESISTOR_R0603_0.02R" R0603 147.159,91.25 r270 top